# KiCad board SONATA-ONE.kicad_pcb (continued)
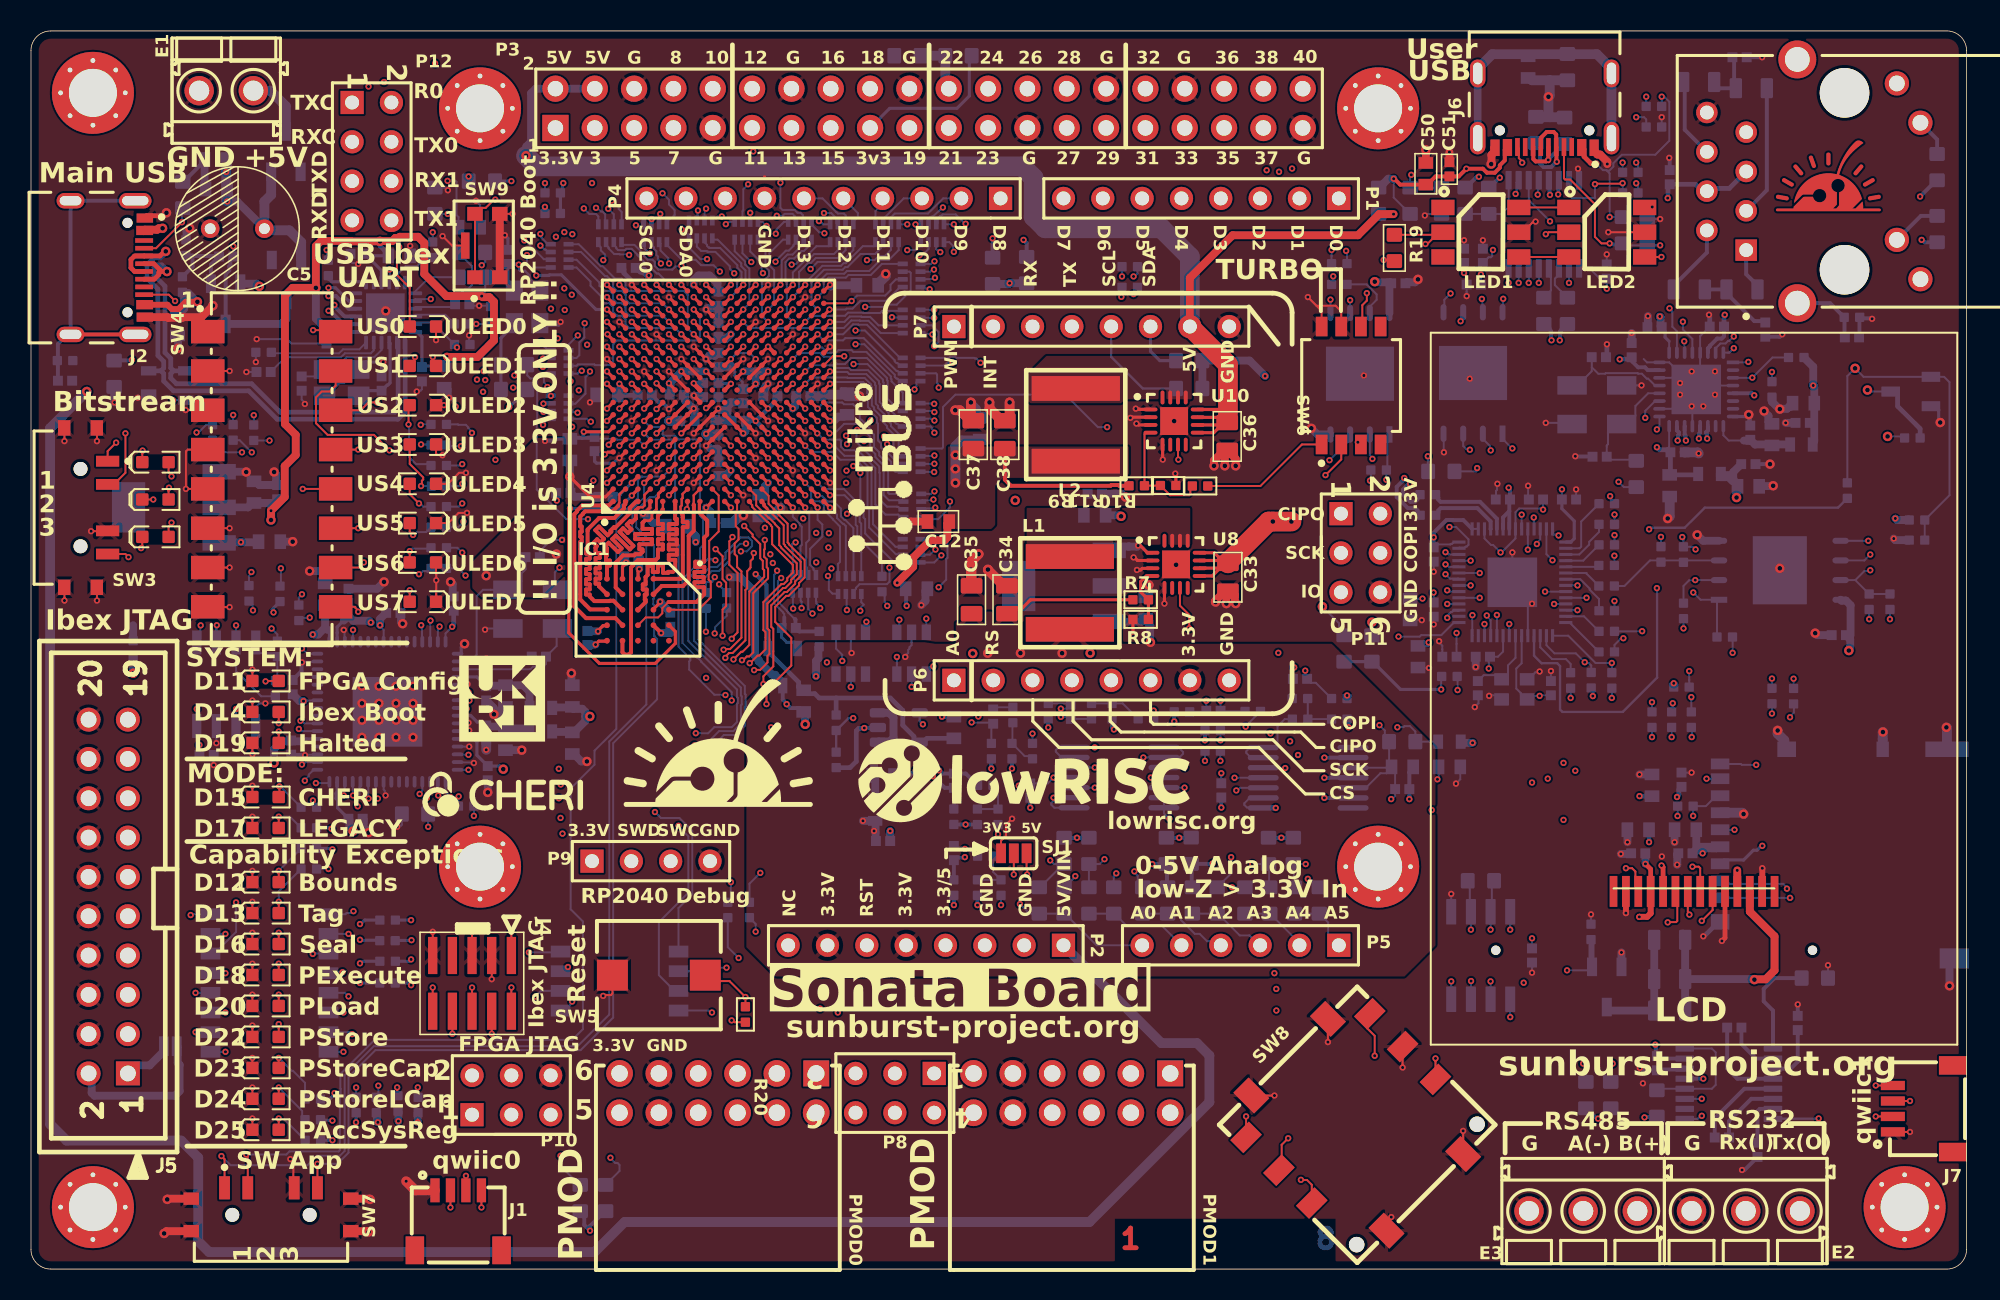
[diagram p0: board, top side]
## Routing (per net, layer and track width the routed paths; a pad name or vN(x,y) marks a point on that pad's centre or on a via; arc(x,y) is an arc through that point) (continued)
Net-(U4D-IO_L23N_T3_34): length 11.9
  Top w0.203: U4.T6 v2(50,53.2)
  Bottom w0.127: R184.2A 56.27,46.19 55.86,46.19 54.13,47.92 54.13,49.09 54.02,49.19 54.02,51.53 53.51,52.04 53.51,52.07 53.29,52.29 52.26,52.29 51.76,52.79 50.41,52.79 v2(50,53.2)
Net-(U5-OSCI): length 10.2
  Bottom w0.127: U5.2 28.36,39.26 28.78,39.68 28.78,43.48 29.19,43.89 29.7,43.89 Y1.1 31.15,43.89 31.69,44.43 31.69,44.96 31.94,45.21 C77.1
Net-(U5-OSCO): length 8.5
  Bottom w0.127: Y1.3 33.95,41.34 33.95,40.26 C78.1 33.26,39.1 33.08,38.92 32.42,38.92 32.26,38.76 U5.3
Net-(U5-REF): length 12.3
  In6.Cu w0.127: v2(25.65,28.57) 24.71,29.52 24.71,31.89 24.47,32.13 24.47,32.38 26.13,34.04 26.13,35.14 28.26,37.26 v2(28.26,37.27)
  Bottom w0.127: R43.1 v2(25.65,28.57) ; v2(28.26,37.27) 28.25,37.26 27.55,37.26 U5.6
Net-(U5-RESET#): length 4.3
  In6.Cu w0.127: v2(27.62,30.54) 27.6,30.56 27.6,32.16 28.21,32.77 28.21,33.18 v2(28.25,33.23)
  Bottom w0.127: R42.1 27.6,30.53 v2(27.62,30.54) ; U5.14 27.56,33.24 28.24,33.24 v2(28.25,33.23)
Net-(U5-VPHY): length 6.1
  Bottom w0.203: C74.1 28.8,38.26 U5.4
  Bottom w0.508: C74.1 29.43,37.69 30.61,37.69 C73.1 31.78,37.72 32.2,37.3 L6.2
Net-(U5-VPLL): length 5.5
  Bottom w0.127: 32.01,34.93 L5.2
  Bottom w0.203: U5.9 28.41,35.76 28.83,35.34 29.18,35.34 C71.1
  Bottom w0.508: 32.2,34.86 32.2,34.88 32.13,34.94 ; 32.2,34.86 32.13,34.93 C70.1 30.54,34.93 30.42,35.05 29.47,35.05 C71.1 ; 32.2,34.86 L5.2
Net-(U6-ISET): length 11.1
  In6.Cu w0.127: v2(105,54.25) 109.36,54.25 110.44,55.33 110.44,55.41 110.73,55.7 110.82,55.7 110.82,55.71 111.1,55.71 112.43,57.04 v2(112.43,57.97)
  Bottom w0.127: U6.17 105.17,54.42 v2(105,54.25) ; R167.2 v2(112.43,57.97)
Net-(U6-X1): length 8.1
  Bottom w0.127: U6.20 104.43,56.59 103.61,55.77 103.61,55.14 103.08,54.6 Y3.1 102.38,54.6 101.84,54.06 101.84,53.29 101.76,53.22 C108.1 101.96,52.3 103.45,52.3
Net-(U6-X2): length 7.4
  Bottom w0.127: C109.1 100.8,58.02 99.88,57.1 Y3.3 ; U6.21 104.88,57.09 104.43,57.54 104.34,57.54 104.03,57.85 103.79,57.85 103.76,57.89 101.7,57.89 101.66,57.85 101.21,57.85 100.8,58.27
Net-(U7-C1+): length 3.5
  Bottom w0.254: C61.2 110.46,14.54 111.4,13.6 U7.2
Net-(U7-C1-): length 5.9
  Bottom w0.254: U7.4 110.2,12.3 109.54,12.96 C61.1
Net-(U7-C2+): length 5.9
  Bottom w0.254: U7.5 110.65,11.65 108.74,9.74 C49.1 108.69,8.45
Net-(U7-C2-): length 4.5
  Bottom w0.254: C49.2 109.66,9.56 111.1,11 U7.6
Net-(U7-DOUT): length 17.6
  In6.Cu w0.203: 114.2,3.17 114.2,5.7 115.94,7.44 115.94,9.85 114.69,11.1 110.98,11.1 109.78,12.3 v2(108,12.3)
  Bottom w0.254: U7.13 v2(108,12.3)
Net-(U7-FORCEON): length 8.1
  Bottom w0.127: R21.1 105.1,11.65 U7.12 108.55,11.65 108.8,11.9 108.8,14 108.55,14.25 U7.16
Net-(U7-RIN): length 11.3
  In6.Cu w0.203: 110.8,3.64 110.8,5.6 114.93,9.73 v2(115.45,9.73)
  Bottom w0.152: U7.8 112.52,9.72 115.44,9.72 v2(115.45,9.73)
Net-(U7-V+): length 3.8
  Bottom w0.254: C63.2 114.1,13.4 113.65,12.95 U7.3
Net-(U7-V-): length 3.1
  Bottom w0.254: C62.1 111.5,10.2 111.65,10.35 U7.7
Net-(U7-~{EN}): length 6.8
  Bottom w0.254: R39.1 112.6,18.8 111.9,18.1 111.9,17.3 112.5,16.7 U7.1
Net-(U8-FB): length 3.6
  Top w0.203: U8.4 72.42,44.77 72.02,44.77 71.67,44.42 71.67,43.75 R7.2 R8.1
Net-(U10-EN): length 34.4
  Top w0.127: 85.89,52.77 85.69,52.97 v2(85.69,53.42) ; U10.7 74.08,52.33 v2(74.1,52.3) ; U8.7 74.2,42.87 74.8,42.27 v2(74.8,41.4)
  In3.Cu w0.127: v2(74.8,41.4) 74.8,46.34 75,46.54 75,51.4 v2(74.1,52.3) 75.9,54.1 78.08,54.1 78.76,53.42 89.3,53.42 v2(90.21,52.52)
  Bottom w0.127: R15.2 90.21,51.56 v2(90.21,52.52)
Net-(U10-FB): length 7.6
  Top w0.127: U10.4 72.01,54.04 71.91,53.94 R9.2 71.92,50.62 72.93,50.62 R11.1 73.57,50 74.8,50 74.87,50.07 74.87,50.47 R10.1
Net-(U11-DVDD_1): length 24.2
  In3.Cu w0.127: v2(90.26,40.49) 90.57,40.17 92.77,40.17 v2(94.14,38.8)
  In6.Cu w0.127: v2(94.91,46.3) 94.6,46 94.6,43.86 93.59,42.85 93.1,42.85 92.75,42.5 92.75,42.45 91.31,41.01 90.78,41.01 v2(90.26,40.49)
  Bottom w0.127: v2(90.26,40.49) 90.24,40.47 90.24,40.26 90.2,40.26 C81.1 ; U11.23 95.07,39.9 94.73,39.56 C85.1 94.14,39.48 v2(94.14,38.8) ; v2(94.91,46.3) 94.43,46.78 94.29,46.78 93.87,47.21 U11.45 ; 94.91,46.3 94.95,46.3 95.87,47.21 U11.50 95.87,48.9 96.1,49.14 97.51,49.14 97.58,49.07 v2(97.65,49.07) C84.1
Net-(U11-GPIO0): length 4.3
  Bottom w0.127: R55.2 100.11,48.3 100.11,46.68 100.01,46.57 U11.2
Net-(U11-GPIO1): length 3.3
  Bottom w0.127: R57.2 101.26,47.63 100.63,46.99 100.63,46.81 99.99,46.17 U11.3
Net-(U11-GPIO2): length 2.6
  Bottom w0.127: R59.2 100.24,45.77 U11.4
Net-(U11-GPIO3): length 2.2
  Bottom w0.127: R60.2 101.17,45.37 U11.5
Net-(U11-GPIO4): length 2.5
  Bottom w0.127: R61.2 100.46,44.93 100.46,44.97 U11.6
Net-(U11-GPIO5): length 3.5
  Bottom w0.127: R63.2 101.26,43.29 100.66,43.9 100.66,43.97 100.06,44.57 U11.7
Net-(U11-GPIO10): length 2.5
  Bottom w0.127: R65.2 100.3,42.17 U11.13
Net-(U11-GPIO11): length 2.9
  Bottom w0.127: U11.14 99.37,41.77 R66.2
Net-(U11-GPIO12): length 5.2
  Bottom w0.127: R68.2 v2(102.09,39.16) 101.04,39.16 99.28,40.92 U11.15
Net-(U11-GPIO13): length 4.5
  Bottom w0.127: U11.16 97.87,40.31 98.39,39.79 99.76,39.79 100.4,39.15 100.61,39.15 100.76,39 R69.2
  vias: v2(100.34,39.21)
Net-(U11-GPIO14): length 3.7
  Bottom w0.127: U11.17 97.47,40.17 97.48,40.17 98.23,39.41 99.12,39.41 99.43,39.1 R70.2
Net-(U11-GPIO20): length 39.2
  In6.Cu w0.127: v2(91.46,42.08) 91.52,42.13 91.52,42.47 91.86,42.81 91.86,44.02 91.62,44.25 90.48,44.25 89.46,45.27 89.46,53.44 85.43,57.47 85.43,60.04 85.59,60.19 85.59,62.76 85.35,63 85.03,63 84.6,62.57 84.6,55.99 86.63,53.96 v2(86.63,52.35)
  Bottom w0.127: v2(91.46,42.08) 91.52,42.13 91.52,42.27 91.71,42.46 91.78,42.46 91.86,42.54 92.18,42.54 U11.31 ; U19.2 86.46,52.59 86.63,52.43 v2(86.63,52.35)
Net-(U11-GPIO21): length 14.9
  In6.Cu w0.127: v2(87.53,51) 88.43,50.1 88.43,43.84 89.59,42.67 91.16,42.67 v2(91.46,42.97)
  Bottom w0.127: v2(87.53,51) R67.1 87.6,51.7 87.6,53.79 U19.1 ; v2(91.46,42.97) U11.32
Net-(U11-GPIO22): length 25.6
  In6.Cu w0.127: v2(91.46,43.86) 90.53,42.93 89.7,42.93 88.68,43.94 88.68,50.56 87.39,51.86 87.39,53.56 84.85,56.09 84.85,62.26 v2(85.19,62.6)
  Bottom w0.127: U11.34 91.62,43.77 91.53,43.86 v2(91.46,43.86) ; U19.6 v2(85.19,62.6)
Net-(U11-GPIO23): length 26.9
  In6.Cu w0.127: v2(92.97,44.17) 92.64,44.5 90.58,44.5 89.71,45.38 89.71,53.55 85.69,57.57 85.69,59.94 85.84,60.09 85.84,62.87 85.46,63.25 84.53,63.25 v2(83.92,62.64)
  Bottom w0.127: U19.5 v2(83.92,62.64) ; U11.35 v2(92.97,44.17)
Net-(U11-QSPI_SCLK): length 18.5
  In6.Cu w0.127: v2(92.32,61.25) 92.32,51.41 96.67,47.07 v2(96.67,46.48)
  Bottom w0.127: v2(96.67,46.48) U11.52 ; U18.6 92.49,61.45 92.32,61.28 v2(92.32,61.25)
Net-(U11-QSPI_SD0): length 19.7
  In6.Cu w0.127: v2(97.05,48.56) 97.02,48.56 96.81,48.35 96.1,48.35 94.29,50.17 94.29,51.96 93.57,52.68 93.57,57.96 93.46,58.07 93.46,60.67 92.97,61.16 92.97,61.7 91.68,62.99 v2(91.68,63.04)
  Bottom w0.127: v2(91.68,63.04) 91.27,62.63 91.27,61.87 U18.5 ; U11.53 97.06,47.83 97.06,48.55 v2(97.05,48.56)
Net-(U11-QSPI_SD1): length 12.8
  In6.Cu w0.127: v2(94.27,52.9) 95.24,52.9 98.26,49.88 v2(98.26,45.8)
  Bottom w0.127: U11.55 97.87,46.19 v2(98.26,45.8) ; U18.2 93.76,53.64 94.22,53.18 94.22,52.95 v2(94.27,52.9)
Net-(U11-QSPI_SD2): length 10.3
  In6.Cu w0.127: v2(97.25,46.85) 93,51.1 93,52.48 92.94,52.55 92.94,52.92 v2(92.92,52.94)
  Bottom w0.127: U11.54 97.47,47.14 97.25,46.93 v2(97.25,46.85) ; v2(92.92,52.94) 92.87,52.99 92.69,52.99 92.49,53.19 U18.3
Net-(U11-QSPI_SD3): length 16.8
  In6.Cu w0.127: v2(93.7,62.68) 93.71,62.67 93.71,58.36 93.82,58.24 93.82,52.79 96.27,50.35 v2(96.27,48.75)
  Bottom w0.127: v2(93.7,62.68) 93.73,62.65 93.73,61.86 U18.7 ; U11.51 v2(96.27,48.75)
Net-(U11-QSPI_SS_N): length 139.2
  In3.Cu w0.127: v2(46.65,72.22) 46.66,72.2 53.3,72.2 55.94,69.57 55.94,69.45 57.39,67.99 60.47,67.99 60.58,67.89 86.91,67.89 88.14,69.12 91.44,69.12 92.63,70.31 92.76,70.31 92.99,70.54 92.99,70.67 93.8,71.48 93.8,71.61 94.09,71.9 94.22,71.9 94.49,72.16 96.87,72.16 97.88,71.16 98.7,71.16 99.04,71.5 99.67,71.5 101.33,73.15 101.33,74.1 102.55,75.33 103.98,75.33 104.06,75.24 104.06,70.18 105.93,68.32 105.93,67.8 107.76,65.97 108.12,65.97 115.61,58.48 115.61,52.77 112.05,49.22 106.4,49.22 106.12,49.5 105.28,49.5 105,49.22 103.26,49.22 100.77,51.71 100.77,52.04 99.27,53.53 98.27,53.53 97.76,53.03 v2(95.67,53.03)
  In4.Cu w0.203: v2(34.38,70.17) 36.41,72.2 46.63,72.2 v2(46.65,72.22)
  In6.Cu w0.127: v2(98.65,47.4) 98.65,50.04 v2(95.67,53.03)
  Bottom w0.127: U18.1 95.03,53.64 95.65,53.03 v2(95.67,53.03) ; v2(98.65,47.4) 98.58,47.4 98.52,47.46 98.3,47.46 98.27,47.5 U11.56
  Bottom w0.203: v2(34.38,70.17) 34.34,70.13 34.34,69.68 R53.1 R54.2
Net-(U11-SWCLK): length 67.7
  In1.Cu w0.127: P9.3 42.52,26.36 45.75,23.13 67.09,23.13 72.67,28.71 74.1,28.71 78.6,33.21 v2(81.83,33.21)
  In3.Cu w0.127: v2(81.83,33.21) 82.11,33.49 92.01,33.49 94.82,36.3 94.82,42.04 94.67,42.19 v2(94.67,42.26)
  Bottom w0.127: U11.24 v2(94.67,42.26)
Net-(U11-SWDIO): length 69.7
  In1.Cu w0.127: P9.2 39.71,27.3 44.24,27.3 47.34,24.2 67.6,24.2 74.12,30.71 74.99,30.71 76.72,32.44 77.48,32.44 79.13,34.1 v2(81.32,34.1)
  In3.Cu w0.127: v2(81.32,34.1) 81.37,34.1 81.62,34.36 92.04,34.36 94.56,36.87 94.56,41.69 v2(94.02,42.23)
  Bottom w0.127: U11.25 94.27,41.93 94.02,42.18 v2(94.02,42.23)
Net-(U11-XIN): length 6.3
  Bottom w0.127: v2(97.43,37.04) 96.92,37.04 96.89,37.07 X2.1 96.55,36.81 96.21,37.14 96.21,37.22 95.92,37.51 95.92,38.8 96.27,39.15 U11.20 ; C92.1 98.16,37.07 97.43,37.07 97.43,37.07
Net-(U11-XOUT): length 5
  Bottom w0.127: C93.1 93.82,38.37 94.71,38.37 X2.3 95.05,38.11 95.38,38.44 95.38,39.01 95.87,39.49 U11.21
Net-(U12-CRFILT): length 11.8
  In6.Cu w0.127: v2(26.9,70.31) 26.04,69.45 25.42,69.45 24.32,68.35 24.32,67.33 23.15,66.16 v2(23.15,64.58)
  Bottom w0.127: v2(23.15,64.58) 23.18,64.56 23.18,64 ; v2(26.9,70.31) 26.92,70.33 27.41,70.33 27.48,70.25 27.48,68.1 27.61,67.97 C47.1
Net-(U12-PLLFILT): length 7.8
  Bottom w0.127: 22.14,59.98 22.14,59.36 21.95,59.17 20.28,59.17 20.02,58.92 16.42,58.92 15.48,57.98
Net-(U12-PRTPWR1/(BC_EN1)): length 2.5
  Bottom w0.203: 21.68,63.79 19.43,63.79 19.27,63.96 19.21,63.96
Net-(U12-PRTPWR2): length 3.3
  Bottom w0.127: R74.1 25.49,65.36 24.94,64.81 24.2,64.81 23.68,64.29 23.68,63.73
Net-(U12-RBIAS): length 6.6
  Bottom w0.127: 15.52,59.25 15.6,59.17 19.9,59.17 20.15,59.43 21.2,59.43 21.68,59.9 21.68,60.02
Net-(U12-SMBCLK/CFG_SEL0): length 7.8
  In6.Cu w0.127: v2(26.91,68.18) 26.91,67.34 26.97,67.28 26.97,63.83 v2(25.82,62.68)
  Bottom w0.127: v2(26.91,68.18) R17.2 ; v2(25.82,62.68) 25.81,62.67 24.82,62.67 24.81,62.66
Net-(U12-SMBDATA/NON_REM1): length 3.2
  Bottom w0.127: 24.81,63.16 25.74,64.09 R18.2
Net-(U12-VBUS_DET): length 2.8
  Bottom w0.127: R12.1 26.76,61.66 24.82,61.66
Net-(U12-XTALIN/CLKIN): length 6.6
  Bottom w0.127: C95.1 18.51,57.68 X1.3 19.06,58.13 19.42,58.49 19.95,58.49 20.38,58.92 22.17,58.92 22.64,59.39 U12.22 ; 22.67,59.71 22.67,60.01 22.68,60.02
Net-(U12-XTALOUT/(CLKIN_EN)): length 5
  Bottom w0.203: X1.1 21.49,56.76 C96.1 23.01,57.12 23.05,57.12 23.19,57.26 23.19,59.81 U12.21
Net-(U12-~{RESET}): length 6.9
  Bottom w0.127: R72.1 27.64,65.64 28.48,64.79 28.48,63.59 28.24,63.34 28.05,63.34 27.65,62.93 27.65,62.6 C94.1 27.21,62.16 24.81,62.16
Net-(U13B-VPU_33): length 4.7
  Bottom w0.127: U13.1 95.42,68.63 94.97,68.18 R34.2 R31.2
Net-(U15-ADJ): length 8.7
  In1.Cu w0.152: v2(53.1,35.6) 53.6,36.1 55,36.1 55.9,35.2 v2(57.6,35.2)
  Bottom w0.152: U15.4 57.39,35.41 57.6,35.21 v2(57.6,35.2) ; v2(53.1,35.6) 52.8,35.6 R37.2 R38.1
Net-(U15-ENA): length 7.3
  Bottom w0.508: L3.2 54.52,31.59 54.45,31.67 54.45,32.73 54.69,32.98 U15.1 54.74,34.09 55.45,34.09 55.7,34.34 55.7,35.64 55.41,35.94 U15.3
Net-(U16-CS): length 18.6
  In3.Cu w0.127: v2(10.96,41.59) 11.56,40.99 17.56,40.99 18.02,41.44 18.63,41.44 19.17,40.91 25.81,40.91 26.39,41.49 v2(26.39,41.51)
  Bottom w0.127: v2(10.96,41.59) 10.94,41.57 10.94,40.72 U16.1 ; U5.63 26.27,41.32 26.39,41.44 v2(26.39,41.51)
Net-(U16-DI): length 19.9
  In3.Cu w0.127: v2(13.25,41.59) 14.42,41.59 14.61,41.78 16.1,41.78 16.36,41.52 17.73,41.52 17.91,41.7 18.73,41.7 18.74,41.69 21.41,41.69 21.89,41.21 23.79,41.21 23.79,41.2 24.21,41.2 24.21,41.21 24.81,41.21 v2(25.2,41.6)
  Bottom w0.127: 25.23,41.63 v2(25.2,41.6) 25.25,41.55 25.25,40.56 U5.61 ; R44.1 14.87,37.01 13.25,38.63 U16.3 v2(13.25,41.59)
Net-(U16-DO): length 3.6
  Bottom w0.127: 15.91,38.03 R199.2 15.69,39.8 14.75,39.8 14.52,40.03 U16.4
Net-(U16-SK): length 17.2
  In3.Cu w0.127: v2(12,41.6) 12.49,41.6 12.89,42 14.47,42 14.5,42.03 17.21,42.03 17.66,42.49 19.71,42.49 20.09,42.87 21.29,42.87 21.96,42.2 25.16,42.2 25.46,41.9 v2(25.8,41.9)
  Bottom w0.127: v2(25.8,41.9) 25.79,41.89 25.79,40.55 U5.62
  Bottom w0.152: U16.2 11.98,41.58 v2(12,41.6)
Net-(U19-DQ3/~{HOLD}): length 3.6
  Bottom w0.127: U19.7 86.46,62.18 86.91,62.63 86.91,62.98 86.26,63.62 R62.2
Net-(U19-~{W}/DQ2): length 18.1
  In6.Cu w0.127: v2(84.93,65.79) 84.93,65.72 84.8,65.58 84.8,65.4 83.1,63.7 83.1,60.32 84.35,59.06 84.35,52.75 v2(83.86,52.26)
  Bottom w0.127: R64.2 84.99,65.46 84.99,65.46 84.99,65.74 v2(84.93,65.79) ; U19.3 85.19,53.6 83.86,52.26 v2(83.86,52.26)
Net-(U20A-VINA+): length 10.4
  In6.Cu w0.127: v2(68.7,31.11) 68.7,30.6 65.82,27.73 v2(65.82,26.41)
  Bottom w0.127: 66.67,26.17 66.06,26.17 v2(65.82,26.41) ; 66.67,26.17 65.17,24.67 R75.2 ; 66.67,26.17 R76.2 ; U20.3 v2(68.7,31.11)
Net-(U20A-VINA-): length 13.9
  In6.Cu w0.127: v2(62.65,23.52) 63.04,23.13 64.2,23.13 65.16,24.1 65.16,28.94 65.54,29.32 65.54,29.96 v2(66.04,30.46)
  Bottom w0.127: U20.1 66.09,29.81 65.89,30 65.89,30.11 66.24,30.46 ; 66.24,30.46 U20.2 ; 66.24,30.46 v2(66.04,30.46) ; v2(62.65,23.52) R78.1
Net-(U20B-VINB+): length 10.4
  In6.Cu w0.127: v2(68.7,32.41) 69.68,31.42 69.68,26.84 v2(69.33,26.48)
  Bottom w0.127: R84.2 R87.2 69.01,26.17 v2(69.33,26.48) ; U20.5 v2(68.7,32.41)
Net-(U20B-VINB-): length 13.9
  In6.Cu w0.127: v2(62.45,28.09) 63.24,28.09 64.1,28.95 64.81,28.95 65.29,29.43 65.29,30.5 65.85,31.06 66.05,31.06 v2(68.7,33.71)
  Bottom w0.127: v2(62.45,28.09) R85.1 ; U20.6 66.55,33.06 66.18,33.43 66.18,33.53 66.32,33.67 67.33,33.67 U20.7 v2(68.7,33.71)
Net-(U20C-VINC+): length 10.9
  In6.Cu w0.254: v2(74.5,32.41) 72.42,30.33 v2(72.42,26.17)
  Bottom w0.127: U20.10 v2(74.5,32.41)
  Bottom w0.254: v2(72.42,26.17) R94.2 73.36,26.13 73.36,24.7 R91.2
Net-(U20C-VINC-): length 12.6
  In6.Cu w0.127: v2(71.84,33.06) 70.44,34.46 67.4,34.46 67.26,34.6 v2(64.68,34.6)
  Bottom w0.127: U20.8 73.21,33.66 74.15,33.66 74.4,33.4 74.4,33.3 74.2,33.1 73.21,33.1 U20.9 v2(71.84,33.06) ; R92.1 v2(64.68,34.6)
Net-(U20D-VIND+): length 9.9
  In6.Cu w0.254: v2(74.5,31.11) 76.31,29.29 v2(76.31,26.2)
  Bottom w0.127: U20.12 v2(74.5,31.11)
  Bottom w0.254: R98.2 74.96,24.7 74.96,26.14 R101.2 76.29,26.18 v2(76.31,26.2)
Net-(U20D-VIND-): length 7
  In6.Cu w0.127: v2(75.82,32.84) 74.83,31.86 74.55,31.86 73.52,30.83 v2(73.52,29.1)
  Bottom w0.127: v2(73.52,29.1) 73.17,29.45 U20.14 U20.13 ; R99.1 v2(75.82,32.84)
Net-(U21A-VINA+): length 9.6
  In6.Cu w0.127: v2(77.84,30.93) 78.88,29.89 v2(78.88,26.18)
  Bottom w0.127: v2(78.88,26.18) 78.89,26.17 R108.2 79.96,26.13 79.96,24.7 R105.2 ; U21.3 78.09,31.09 77.92,30.93 v2(77.84,30.93)
Net-(U21A-VINA-): length 17
  In6.Cu w0.127: v2(80.39,29.79) 80.39,31.26 79.44,32.21 79.44,34.87 78.22,36.08 v2(72.5,36.08)
  Bottom w0.127: v2(80.39,29.79) U21.1 79.55,29.83 78.52,29.83 78.36,29.99 78.36,30.1 78.71,30.44 U21.2 ; R106.1 v2(72.5,36.08)
Net-(U21B-VINB+): length 10.7
  In6.Cu w0.127: v2(82.32,26.17) 82.32,31.45 81.4,32.37 v2(81,32.37)
  Bottom w0.127: v2(81,32.37) 80.99,32.38 79.59,32.38 U21.5 ; v2(82.32,26.17) R115.2 81.56,26.13 81.56,24.7 R112.2
Net-(U21B-VINB-): length 5.9
  Bottom w0.127: R113.1 80.97,35.54 80.5,35.07 80.5,33.9 80.3,33.69 78.72,33.69 78.48,33.45 78.48,33.35 78.79,33.04 U21.6
Net-(Y2-Output): length 4.6
  Bottom w0.203: Y2.3 31.22,61.02 30.35,60.15 R123.1 R122.1

## Copper pours and planes (outline as drawn; the poured copper is in the pictures)
3V3_FTDI on Top: 58.4,40.4 84,40.4 90.7,33.7 90.7,20.9 88.7,18.9 48.1,18.9 46.2,20.8 46.2,36.7 50,40.5 57.7,40.5
3V3_FTDI on Top: 64.07,42.23 63.73,42.57 63.64,42.48 59.73,42.48 59.73,39.44 59.98,39.18 70.14,39.18 70.39,39.44 70.39,42.23
3V3_FTDI on In5.Cu: -3,83 128,83 128,-3 -3,-3
GND on Top: -1,81 126,81 126,-1 -1,-1
GND on Bottom: 129,84 129,-4 -4,-4 -4,84
GND on In2.Cu: -2,82 127,82 127,-2 -2,-2
VCC1V8 on Top: 34.4,53.7 34.4,44.9 32.9,43.4 29.1,43.4 28.5,44 28.5,45.7 31.5,48.7 31.5,52.7 31.6,52.7 32.6,53.7
VCC1V8 on Bottom: 60.7,53 60.8,53.1 67.2,53.1 68,52.3 71.4,52.3 73.9,49.8 82.3,49.8 82.7,49.4 82.7,40.6 82.8,40.5 82.7,40.4 77.3,40.4 75.9,39 60.4,39 59.8,39.6 59.8,49.9 60.7,50.8
VCC1V8 on In1.Cu: 34.1,59.5 53.1,59.5 66.1,46.5 71.6,46.5 74.58,43.52 74.58,39.38 72.71,37.51 31.39,37.51 28.8,40.1 29.1,40.4 29.1,58.8
VCCINT on Top: 70.9,53.15 70.9,51.38 70.65,51.12 62.78,51.12 62.27,50.61 62.27,48.07 62.01,47.82 59.73,47.82 59.22,48.33 59.22,53.15
VCCINT on In3.Cu: 60.2,54.4 60.2,50.2 58.9,50.2 58.4,50.7 55.1,50.7 52.3,53.5 43.3,53.5 43.1,53.7 40.9,53.7 40.21,54.39 40.01,54.39 40.01,56.71 40.2,56.9 40.4,57.23 41.57,58.4 56.2,58.4
VCCUSB3V3 on Bottom: 2.2,55.3 2.4,55.1 8.8,55.1 10.4,53.5 10.4,51.1 11.4,50.1 14.1,50.1 14.4,49.8 14.4,48.9 14.1,48.6 11.1,48.6 10.8,48.3 10.8,42.9 9,41.1 2.2,41.1 1.5,41.8 1.5,55.4
Net-(L1-Pad1) on Top: 74.87,46.8 71.92,46.8 71.41,47.31 70.14,47.31 69.89,47.06 69.89,45.79 64.3,45.79 64.3,49.18 74.87,49.18
Net-(L2-Pad1) on Top: 74.97,56.2 70.65,56.2 70.39,55.95 64.55,55.95 64.3,56.2 64.3,57.73 65.57,59 74.97,59

Small or netless copper shapes (teardrops, artwork), in the pictures only: 9 on Top

## Text on the board
Bottom: 8
B.Silkscreen: 3V3 | GND | See hardware docs for interactive BoM | Not all component references included on silkscreen. | This Sonata board and / the Sunburst project / have been funded by / Digital Security by Design (DSbD) and UKRI [grant number 107540]. / For up to date information and support please visit sunburst-project.org / lowRISC would like to thank Cambridge University / SRI for their work / on CHERI and Microsoft for their work on CHERIoT. | SONATA KiCAD Version | NewAE Technology Inc. | PCB REV:r10 | This board is open source! | Lead / Free
Top: 1
F.Silkscreen: 3V3 | 5V | 3.3V | SWD | GND | SWC | G | A0 | A1 | A2 | A3 | A4 | A5 | NC | RST | 3.3/5 | PWM | INT | RS | RX | 5V/VIN | TX | SCL | SDA | COPI | SCL0 | SDA0 | D13 | D12 | D11 | D10 | D9 | D8 | D7 | D6 | D5 | D4 | D3 | D2 | D1 | D0 | 3 | 5 | 7 | 8 | 10 | 12 | 11 | 13 | 16 | 15 | 3v3 | 18 | 19 | 21 | 22 | 23 | 24 | 26 | 27 | 28 | 29 | 31 | 32 | 33 | 36 | 35 | 38 | 37 | CIPO | SCK | IO | CS | FPGA JTAG | A(-) | B(+) | Rx(I) | Tx(O) | TXD | RXD | Ibex JTAG | TXC | RXC | R0 | TX0 | RX1 | TX1 | RP2040 Debug | ULED0 | ULED1 | ULED2 | ULED3 | ULED4 | ULED5 | ULED6 | ULED7 | RP2040 Boot | US0 | US1 | US2 | US3 | US4 | US5 | US6 | US7 | 1 | 0 | FPGA Config | Ibex Boot | Halted | CHERI | LEGACY | Bounds | Tag | PExecute | PLoad | PStore | PStoreCap | PStoreLCap | PAccSysReg | Seal | lowrisc.org | 2 | SW App | Reset | qwiic1 | qwiic0 | 0-5V Analog | low-Z > 3.3V In | RS485 | RS232 | SYSTEM: | MODE: | Capability Exceptions | Main USB | Bitstream | USB | UART | Ibex | +5V | TURBO | User | !! I/O is 3.3V ONLY !! | sunburst-project.org | PMOD | LCD | Sonata Board
In1.Cu: 2
In2.Cu: 3
In3.Cu: 4
In4.Cu: 5
In5.Cu: 6
In6.Cu: 7
